# Altium PCB HIVE_BOARD.PcbDoc (part 2 of 9)
Units mm, origin at the board's own origin, x right, y up, seen from the top; angles counter-clockwise.
Board outline 110 x 110 mm, 8 copper layers (Top, GND_1, Signal_1, GND_2, PWR, Signal_2, GND_3, Bottom), stack 1.6 mm thick; 674 components, 474 nets, 2528 pads, 2100 vias.
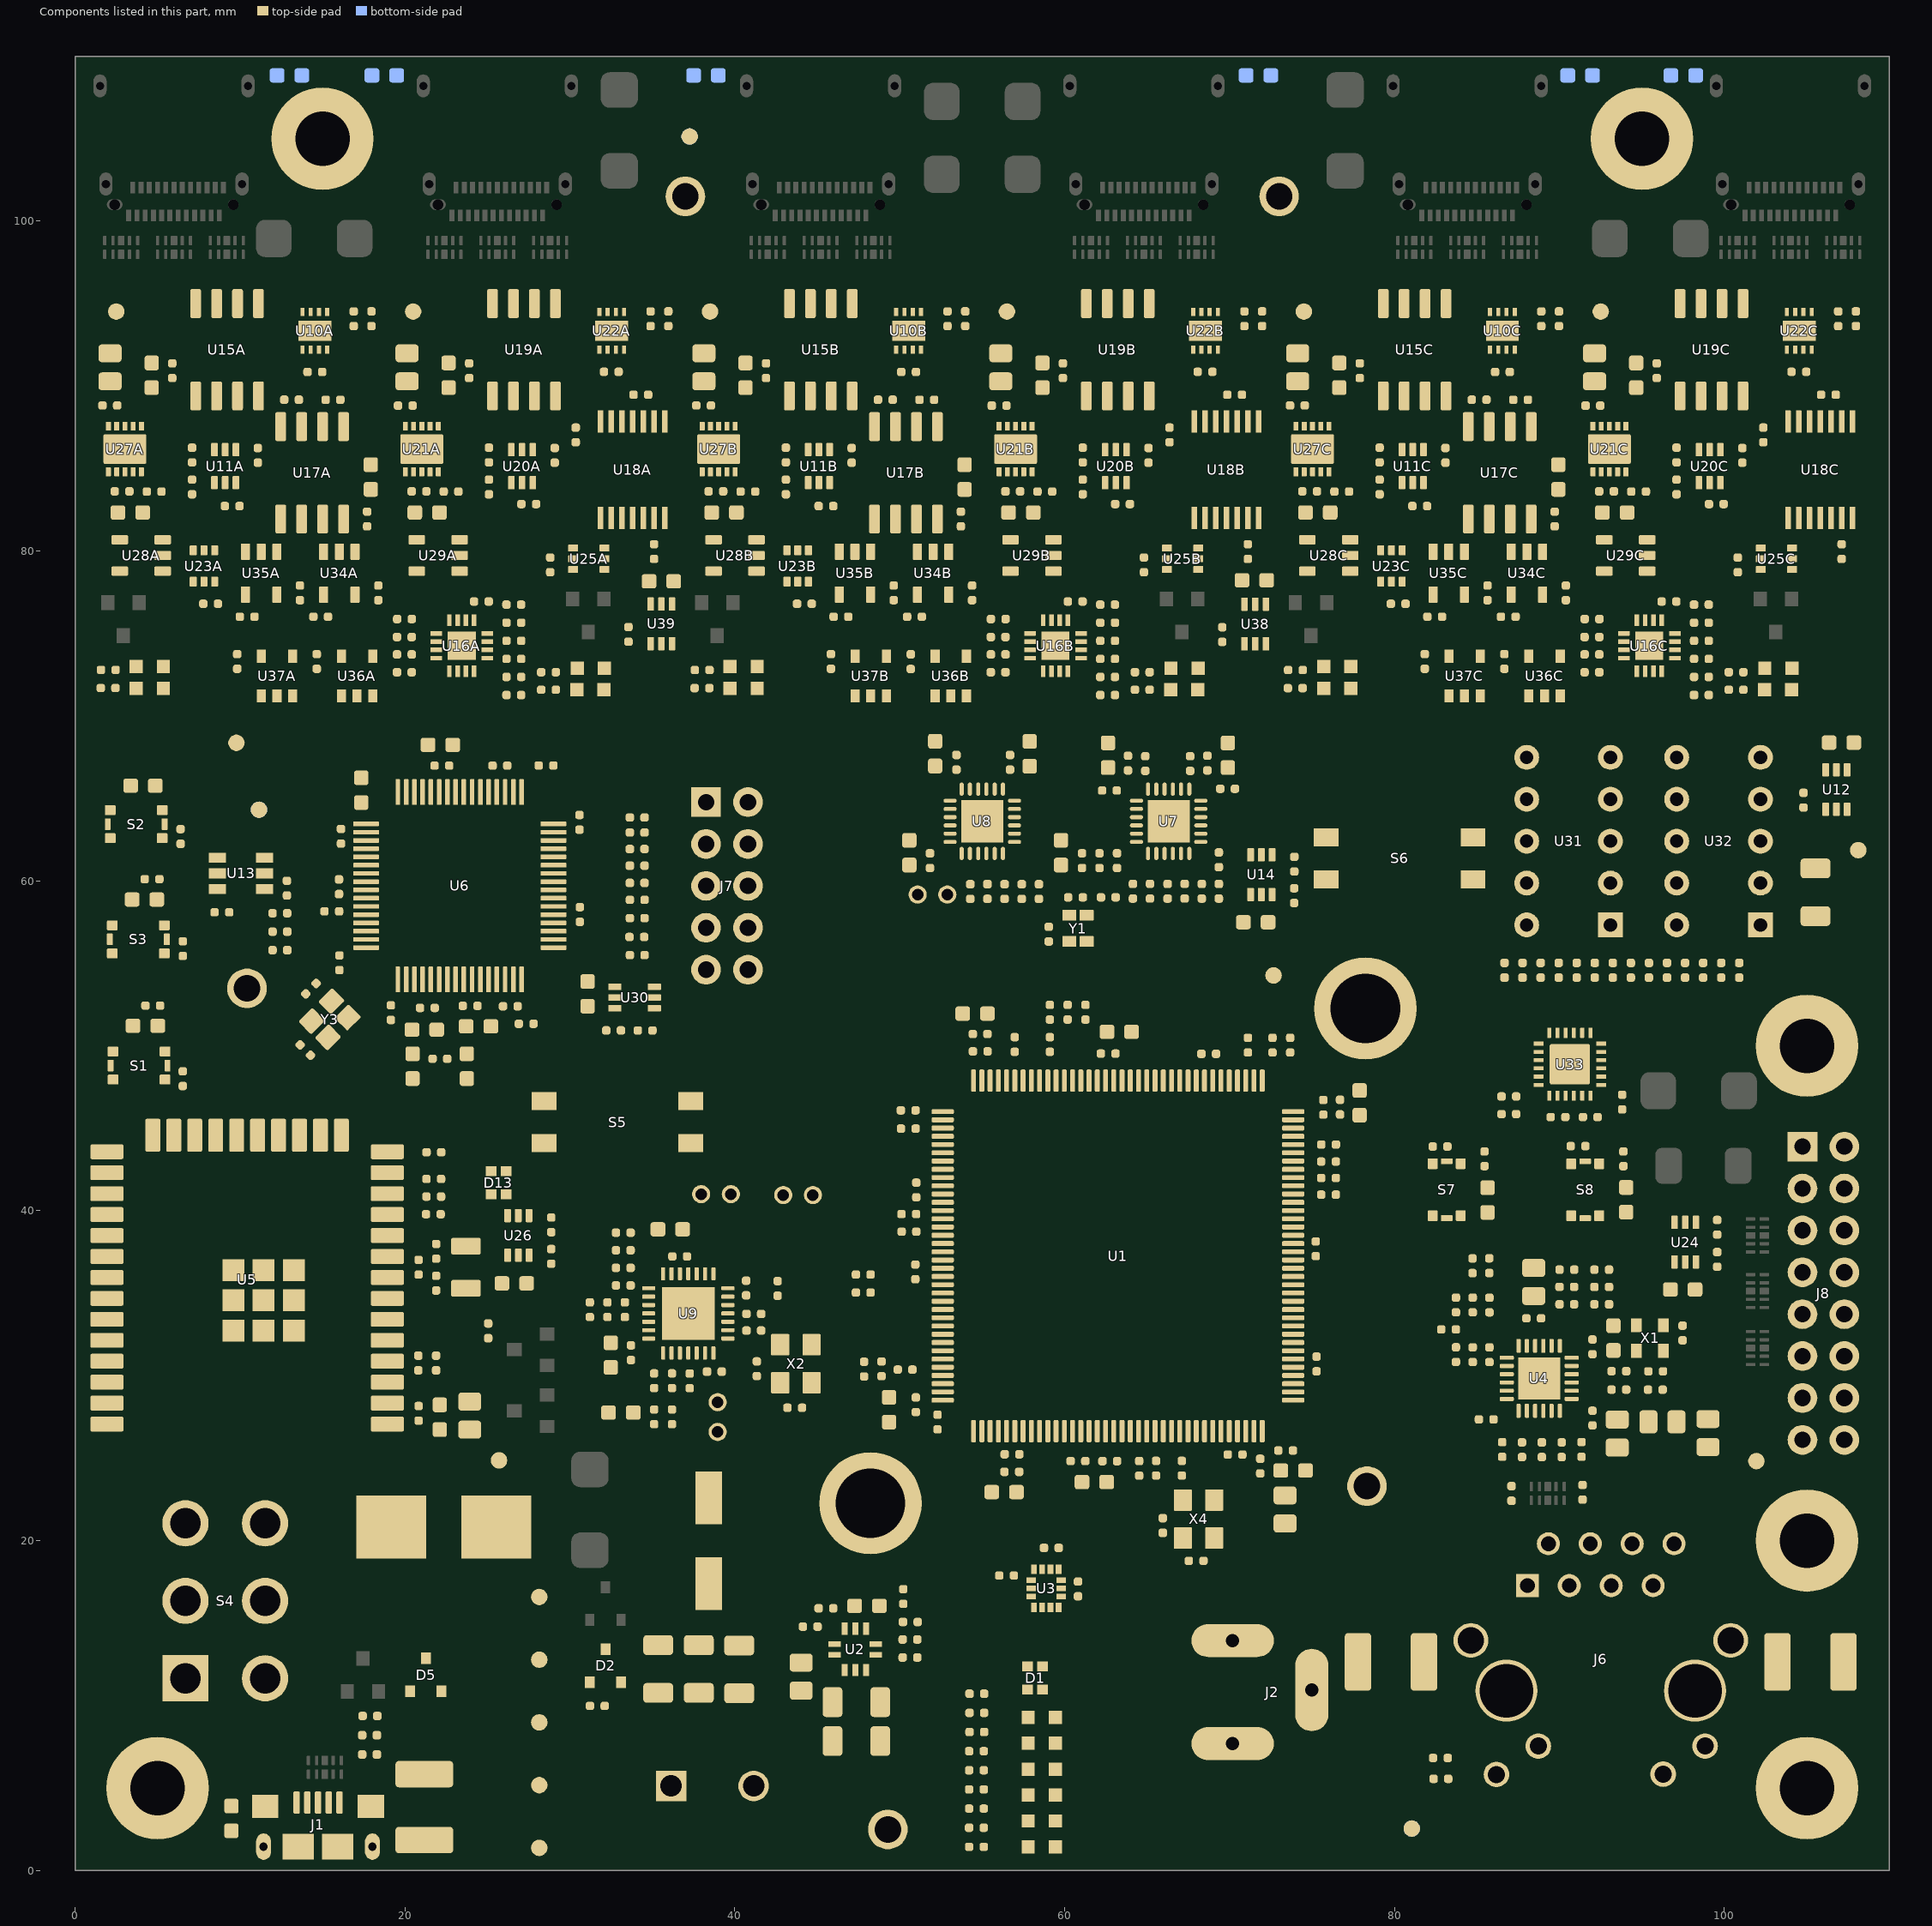
[diagram p8: the components of this part, seen from the top]

## Components (designator, comment, footprint, x,y, rotation, side; value= is the part's Value field where it differs from the comment) (continued)
R38 "RC0402FR-071KL" RES_0402 4.711,52.439 r0 top value=1k
R39 "RC0402FR-07150RL" RES_0402 6.53,48.009 r270 top value=150R
R40 "ERJ-2RKF4750X" RES_0402 21.747,41.928 r180 top value=475R
R41 "RC0402FR-0749R9L" RES_0402 87.726,25.516 r270 top value=49R9
R42 "RC0402FR-0749R9L" RES_0402 86.523,25.527 r270 top value=49R9
R43 "RC0402FR-0749R9L" RES_0402 90.132,25.516 r270 top value=49R9
R44 "RC0402FR-0749R9L" RES_0402 88.929,25.516 r270 top value=49R9
R45 "RC0402FR-071K5L" RES_0402 83.273,32.808 r180 top value=1k5
R46 "ERJ-2RKF4750X" RES_0402 21.721,39.792 r180 top value=475R
R47 "RMCF0402FT10R0" RES_0402 83.721,34.29 r90 top value=10R
R48 "RMCF0402FT10R0" RES_0402 83.721,31.282 r90 top value=10R
R49 "RC0402FR-07270RL" FER_0402 82.779,6.824 r0 top value=270
R50 "RC0402FR-0712K1L" RES_0402 91.335,25.529 r90 top value=12k1
R51 "RC0402FR-07270RL" FER_0402 82.81,5.56 r0 top value=270
R52 "RC0402FR-0712KL" RES_0402 42.596,35.292 r270 top value=12k
R53 "RC0402FR-0710KL" RES_0402 90.444,34.33 r0 top value=10k
R54 "RC0402FR-07100RP" RES_0402 34.083,58.851 r180 top value=100R
R55 "RC0402FR-07100RP" RES_0402 34.08,60.922 r180 top value=100R
R56 "RC0402FR-07100RP" RES_0402 34.08,61.933 r180 top value=100R
R57 "RC0402FR-07100RP" RES_0402 34.08,62.933 r180 top value=100R
R58 "RC0402FR-0710KL" RES_0402 92.562,34.33 r180 top value=10k
R59 "RC0402FR-0710KL" RES_0402 21.752,43.546 r180 top value=10k
R60 "RC0402FR-0710KL" RES_0402 84.737,34.29 r90 top value=10k
R61 "RC0402FR-0710KL" RES_0402 97.458,32.59 r90 top value=10k
R62 "RC0402FR-07100RP" RES_0402 34.08,63.843 r180 top value=100R
R63 "RC0402FR-071KL" RES_0402 21.747,40.86 r180 top value=1k
R64 "RC0402FR-0710KL" RES_0402 67.969,18.776 r0 top value=10k
R65 "RC0402FR-0710KL" RES_0402 15.565,58.155 r180 top value=10k
R66 "RC0402FR-0710KL" RES_0402 27.351,51.336 r180 top value=10k
R67 "RC0402FR-0710KL" RES_0402 12.418,58.04 r180 top value=10k
R68 "RC0402FR-0710KL" RES_0402 12.421,56.922 r0 top value=10k
R69 "RC0402FR-0710KL" RES_0402 12.421,55.804 r0 top value=10k
R70 "RC0402FR-071ML" RES_0402 19.149,52.014 r90 top value=1M
R71 "RC0402FR-07150RL" RES_0402 6.397,62.694 r270 top value=150R
R72 "RC0402FR-072K2L" RES_0402 12.844,59.561 r270 top value=2k2
R73 "RC0402FR-0710KL" RES_0402 84.737,31.276 r90 top value=10k
R74 "RC0402FR-0712KL" RES_0402 22.119,49.217 r0 top value=12k
R75 "RC0402FR-0710KL" RES_0402 93.599,29.159 r180 top value=10k
R76 "RC0402FR-0710KL" RES_0402 95.809,29.154 r0 top value=10k
R77A "ERJ-2RKF4750X" RES_0402 2.016,72.793 r180 top value=475R (schematic designator R77)
R77B "ERJ-2RKF4750X" RES_0402 38.022,72.786 r180 top value=475R (schematic designator R77)
R77C "ERJ-2RKF4750X" RES_0402 73.989,72.785 r180 top value=475R (schematic designator R77)
R78 "RC0402FR-0710KL" RES_0402 85.738,36.673 r270 top value=10k
R79 "RC0402FR-07100RP" RES_0402 34.08,59.879 r180 top value=100R
R80 "RC0402FR-071KL" RES_0402 66.238,59.372 r270 top value=1k
R81 "RC0402FR-071KL" RES_0402 64.135,59.372 r270 top value=1k
R82 "RC0402FR-0733RL" RES_0402 60.655,59.003 r180 top value=33R
R83 "RC0402FR-071KL" RES_0402 67.274,59.374 r90 top value=1k
R84 "RC0402FR-071KL" RES_0402 65.171,59.374 r90 top value=1k
R85 "RC0402FR-071KL" RES_0402 68.311,59.372 r270 top value=1k
R86 "RC0402FR-071KL" RES_0402 69.347,59.372 r270 top value=1k
R87 "RC0402FR-071KL" RES_0402 54.275,59.357 r270 top value=1k
R88 "RC0402FR-071KL" RES_0402 55.315,59.359 r90 top value=1k
R89 "RC0402FR-071KL" RES_0402 56.356,59.357 r270 top value=1k
R90 "RC0402FR-071KL" RES_0402 57.397,59.357 r270 top value=1k
R91 "RC0402FR-0710KL" RES_0402 21.889,30.771 r90 top value=10k
R92 "RC0402FR-0710KL" RES_0402 25.051,32.722 r270 top value=10k
R93A "RC0402FR-0710KL" RES_0402 7.095,83.884 r90 top value=10k (schematic designator R93)
R93B "RC0402FR-0710KL" RES_0402 43.095,83.884 r90 top value=10k (schematic designator R93)
R93C "RC0402FR-0710KL" RES_0402 79.095,83.884 r90 top value=10k (schematic designator R93)
R94A "RC0402FR-07100RP" RES_0402 14.537,90.856 r0 top value=100R (schematic designator R94)
R94B "RC0402FR-07100RP" RES_0402 50.537,90.856 r0 top value=100R (schematic designator R94)
R94C "RC0402FR-07100RP" RES_0402 86.537,90.856 r0 top value=100R (schematic designator R94)
R95A "RC0402FR-07100KL" RES_0402 11.082,85.801 r90 top value=100k (schematic designator R95)
R95B "RC0402FR-07100KL" RES_0402 47.082,85.801 r90 top value=100k (schematic designator R95)
R95C "RC0402FR-07100KL" RES_0402 83.082,85.801 r90 top value=100k (schematic designator R95)
R96 "RC0402FR-0710KL" RES_0402 73.914,59.106 r270 top value=10k
R97A "RC0402FR-07100KL" RES_0402 7.095,85.821 r270 top value=100k (schematic designator R97)
R97B "RC0402FR-07100KL" RES_0402 43.095,85.821 r270 top value=100k (schematic designator R97)
R97C "RC0402FR-07100KL" RES_0402 79.095,85.821 r270 top value=100k (schematic designator R97)
R99A "RC0402FR-07100KL" RES_0402 35.105,79.966 r90 top value=100k (schematic designator R99)
R99B "RC0402FR-07100KL" RES_0402 71.105,79.966 r90 top value=100k (schematic designator R99)
R99C "RC0402FR-07100KL" RES_0402 107.105,79.966 r90 top value=100k (schematic designator R99)
R100A "RC0402FR-07100KL" RES_0402 19.967,73.733 r0 top value=100k (schematic designator R100)
R100B "RC0402FR-07100KL" RES_0402 55.967,73.733 r0 top value=100k (schematic designator R100)
R100C "RC0402FR-07100KL" RES_0402 91.967,73.733 r0 top value=100k (schematic designator R100)
R101A "RC0402FR-0710KL" RES_0402 26.603,75.654 r0 top value=10k (schematic designator R101)
R101B "RC0402FR-0710KL" RES_0402 62.603,75.654 r0 top value=10k (schematic designator R101)
R101C "RC0402FR-0710KL" RES_0402 98.603,75.654 r0 top value=10k (schematic designator R101)
R102A "RC0402FR-070RL" RES_0402 26.603,74.557 r0 top value=0R (schematic designator R102)
R102B "RC0402FR-070RL" RES_0402 62.603,74.557 r0 top value=0R (schematic designator R102)
R102C "RC0402FR-070RL" RES_0402 98.603,74.557 r0 top value=0R (schematic designator R102)
R103A "RC0402FR-0784R5L" RES_0402 15.641,89.169 r0 top value=84R5 (schematic designator R103)
R103B "RC0402FR-0784R5L" RES_0402 51.641,89.169 r0 top value=84R5 (schematic designator R103)
R103C "RC0402FR-0784R5L" RES_0402 87.641,89.169 r0 top value=84R5 (schematic designator R103)
R104A "RC0402FR-0784R5L" RES_0402 13.126,89.174 r0 top value=84R5 (schematic designator R104)
R104B "RC0402FR-0784R5L" RES_0402 49.126,89.174 r0 top value=84R5 (schematic designator R104)
R104C "RC0402FR-0784R5L" RES_0402 85.126,89.174 r0 top value=84R5 (schematic designator R104)
R105A "RC0402FR-070RL" RES_0402 26.603,73.461 r0 top value=0R (schematic designator R105)
R105B "RC0402FR-070RL" RES_0402 62.603,73.461 r0 top value=0R (schematic designator R105)
R105C "RC0402FR-070RL" RES_0402 98.603,73.461 r0 top value=0R (schematic designator R105)
R106A "RC0402FR-07100KL" RES_0402 19.965,72.649 r180 top value=100k (schematic designator R106)
R106B "RC0402FR-07100KL" RES_0402 55.965,72.649 r180 top value=100k (schematic designator R106)
R106C "RC0402FR-07100KL" RES_0402 91.965,72.649 r180 top value=100k (schematic designator R106)
R107A "RC0402FR-07100KL" RES_0402 19.972,75.874 r0 top value=100k (schematic designator R107)
R107B "RC0402FR-07100KL" RES_0402 55.972,75.874 r0 top value=100k (schematic designator R107)
R107C "RC0402FR-07100KL" RES_0402 91.972,75.874 r0 top value=100k (schematic designator R107)
R108A "RC0402FR-0740K2L" RES_0402 19.965,74.783 r0 top value=40k2 (schematic designator R108)
R108B "RC0402FR-0740K2L" RES_0402 55.965,74.783 r0 top value=40k2 (schematic designator R108)
R108C "RC0402FR-0740K2L" RES_0402 91.965,74.783 r0 top value=40k2 (schematic designator R108)
R109 "RC0402FR-0710KL" RES_0402 99.56,37.054 r90 top value=10k
R110A "ERJ-2RKF4750X" RES_0402 28.704,72.651 r180 top value=475R (schematic designator R110)
R110B "ERJ-2RKF4750X" RES_0402 64.704,72.651 r180 top value=475R (schematic designator R110)
R110C "ERJ-2RKF4750X" RES_0402 100.704,72.651 r180 top value=475R (schematic designator R110)
R111A "RC0402FR-0710KL" RES_0402 26.603,72.365 r0 top value=10k (schematic designator R111)
R111B "RC0402FR-0710KL" RES_0402 62.603,72.365 r0 top value=10k (schematic designator R111)
R111C "RC0402FR-0710KL" RES_0402 98.603,72.365 r0 top value=10k (schematic designator R111)
R112A "RC0402FR-0710KL" RES_0402 25.095,83.884 r90 top value=10k (schematic designator R112)
R112B "RC0402FR-0710KL" RES_0402 61.095,83.884 r90 top value=10k (schematic designator R112)
R112C "RC0402FR-0710KL" RES_0402 97.095,83.884 r90 top value=10k (schematic designator R112)
R113A "RC0402FR-0710KL" RES_0402 26.601,71.268 r180 top value=10k (schematic designator R113)
R113B "RC0402FR-0710KL" RES_0402 62.601,71.268 r180 top value=10k (schematic designator R113)
R113C "RC0402FR-0710KL" RES_0402 98.601,71.268 r180 top value=10k (schematic designator R113)
R114 "RC0402FR-0710KL" RES_0402 85.452,43.151 r90 top value=10k
R115A "ERJ-2RKF4750X" RES_0402 2.003,71.697 r180 top value=475R (schematic designator R115)
R115B "ERJ-2RKF4750X" RES_0402 38.009,71.689 r180 top value=475R (schematic designator R115)
R115C "ERJ-2RKF4750X" RES_0402 73.976,71.688 r180 top value=475R (schematic designator R115)
R116 "RC0402FR-0710KL" RES_0402 47.786,35.043 r0 top value=10k
R117A "RC0402FR-07100KL" RES_0402 29.082,85.801 r90 top value=100k (schematic designator R117)
R117B "RC0402FR-07100KL" RES_0402 65.082,85.801 r90 top value=100k (schematic designator R117)
R117C "RC0402FR-07100KL" RES_0402 101.082,85.801 r90 top value=100k (schematic designator R117)
R118A "RC0402FR-07100KL" RES_0402 25.095,85.821 r270 top value=100k (schematic designator R118)
R118B "RC0402FR-07100KL" RES_0402 61.095,85.821 r270 top value=100k (schematic designator R118)
R118C "RC0402FR-07100KL" RES_0402 97.095,85.821 r270 top value=100k (schematic designator R118)
R119A "RC0402FR-07100KL" RES_0402 34.303,89.477 r180 top value=100k (schematic designator R119)
R119B "RC0402FR-07100KL" RES_0402 70.303,89.477 r180 top value=100k (schematic designator R119)
R119C "RC0402FR-07100KL" RES_0402 106.303,89.477 r180 top value=100k (schematic designator R119)
R120 "RC0402FR-0710KL" RES_0402 28.868,37.234 r270 top value=10k
R121 "RC0402FR-0710KL" RES_0402 93.872,43.149 r90 top value=10k
R122 "RC0402FR-0710KL" RES_0402 47.786,36.135 r180 top value=10k
R123A "ERJ-2RKF4750X" RES_0402 28.704,71.589 r180 top value=475R (schematic designator R123)
R123B "ERJ-2RKF4750X" RES_0402 64.704,71.589 r180 top value=475R (schematic designator R123)
R123C "ERJ-2RKF4750X" RES_0402 100.704,71.589 r180 top value=475R (schematic designator R123)
R124A "RC0402FR-0710KL" RES_0402 26.601,76.75 r180 top value=10k (schematic designator R124)
R124B "RC0402FR-0710KL" RES_0402 62.601,76.75 r180 top value=10k (schematic designator R124)
R124C "RC0402FR-0710KL" RES_0402 98.601,76.75 r180 top value=10k (schematic designator R124)
R125 "RC0402FR-0710KL" RES_0402 32.65,50.935 r180 top value=10k
R126 "RC0402FR-0710KL" RES_0402 28.555,66.995 r0 top value=10k
R127A "RC0402FR-0710KL" RES_0402 22.795,83.604 r0 top value=10k (schematic designator R127)
R127B "RC0402FR-0710KL" RES_0402 58.795,83.604 r0 top value=10k (schematic designator R127)
R127C "RC0402FR-0710KL" RES_0402 94.795,83.604 r0 top value=10k (schematic designator R127)
R128A "RC0402FR-07100RP" RES_0402 32.51,90.865 r0 top value=100R (schematic designator R128)
R128B "RC0402FR-07100RP" RES_0402 68.51,90.865 r0 top value=100R (schematic designator R128)
R128C "RC0402FR-07100RP" RES_0402 104.51,90.865 r0 top value=100R (schematic designator R128)
R129 "ERJ-2RKF4750X" RES_0402 54.65,7.239 r0 top value=475R
R130 "RC0402FR-0747RL" RES_0402 71.854,24.52 r90 top value=47R
R131 "RC0402FR-0710KL" RES_0402 56.475,17.885 r0 top value=10k
R132 "RC0402FR-071ML" RES_0402 20.828,36.577 r270 top value=1M
R133A "RC0402FR-0710KL" RES_0402 4.795,83.604 r0 top value=10k (schematic designator R133)
R133B "RC0402FR-0710KL" RES_0402 40.795,83.604 r0 top value=10k (schematic designator R133)
R133C "RC0402FR-0710KL" RES_0402 76.795,83.604 r0 top value=10k (schematic designator R133)
R134 "RC0402FR-0710KL" RES_0402 91.864,45.681 r0 top value=10k
R135 "RC0402FR-07150RL" RES_0402 88.854,54.582 r90 top value=150R
R136 "RC0402FR-07150RL" RES_0402 96.517,54.582 r90 top value=150R
R137 "RC0402FR-07150RL" RES_0402 87.759,54.582 r90 top value=150R
R138 "RC0402FR-07150RL" RES_0402 95.423,54.582 r90 top value=150R
R139 "RC0402FR-07150RL" RES_0402 86.664,54.582 r90 top value=150R
R140 "RC0402FR-07150RL" RES_0402 94.328,54.582 r90 top value=150R
R141 "RC0402FR-07150RL" RES_0402 89.949,54.582 r90 top value=150R
R142 "RC0402FR-07150RL" RES_0402 97.612,54.582 r90 top value=150R
R143 "RC0402FR-07150RL" RES_0402 91.043,54.582 r90 top value=150R
R144 "RC0402FR-07150RL" RES_0402 98.707,54.582 r90 top value=150R
R145 "RC0402FR-07150RL" RES_0402 93.233,54.582 r90 top value=150R
R146 "RC0402FR-07150RL" RES_0402 100.897,54.582 r90 top value=150R
R147 "RC0402FR-07150RL" RES_0402 92.138,54.582 r90 top value=150R
R148 "RC0402FR-07150RL" RES_0402 99.802,54.582 r90 top value=150R
R149 "RC0402FR-07150RL" RES_0402 82.759,43.897 r180 top value=150R
R150 "RC0402FR-07150RL" RES_0402 91.124,43.922 r180 top value=150R
R151A "CRCW04023R48FKED" RES_0402 2.108,88.824 r0 top value=3R48 (schematic designator R151)
R151B "CRCW04023R48FKED" RES_0402 38.108,88.824 r0 top value=3R48 (schematic designator R151)
R151C "CRCW04023R48FKED" RES_0402 74.108,88.824 r0 top value=3R48 (schematic designator R151)
R152A "CRCW04023R48FKED" RES_0402 20.023,88.817 r0 top value=3R48 (schematic designator R152)
R152B "CRCW04023R48FKED" RES_0402 56.023,88.817 r0 top value=3R48 (schematic designator R152)
R152C "CRCW04023R48FKED" RES_0402 92.023,88.817 r0 top value=3R48 (schematic designator R152)
R153 "RC0402FR-0710KL" RES_0402 93.799,46.589 r270 top value=10k
R154A "RC0603JR-070RL" RES_0603 13,108.833 r180 bottom value=0R (schematic designator R154)
R154B "RC0603JR-070RL" RES_0603 38.25,108.833 r0 bottom value=0R (schematic designator R154)
R154C "RC0603JR-070RL" RES_0603 91.25,108.833 r180 bottom value=0R (schematic designator R154)
R155A "RC0603JR-070RL" RES_0603 18.75,108.833 r0 bottom value=0R (schematic designator R155)
R155B "RC0603JR-070RL" RES_0603 71.75,108.833 r180 bottom value=0R (schematic designator R155)
R155C "RC0603JR-070RL" RES_0603 97.5,108.833 r0 bottom value=0R (schematic designator R155)
R156 "RC0402FR-0710KL" RES_0402 84.725,36.667 r90 top value=10k
R157 "RC0402FR-0710KL" RES_0402 90.442,35.384 r180 top value=10k
R158 "RC0402FR-0710KL" RES_0402 92.56,35.379 r0 top value=10k
R159 "RC0402FR-0710KL" RES_0402 85.752,34.288 r270 top value=10k
R160 "RC0402FR-0710KL" RES_0402 85.752,31.274 r270 top value=10k
R161 "RC0402FR-0733RL" RES_0402 50.548,39.799 r0 top value=33R
R162 "RC0402FR-0733RL" RES_0402 75.995,42.983 r180 top value=33R
R163 "RC0402FR-0733RL" RES_0402 50.511,46.086 r180 top value=33R
R164A "RC0402FR-0733RL" RES_0402 14.893,76.016 r180 top value=33R (schematic designator R164)
R164B "RC0402FR-0733RL" RES_0402 50.893,76.016 r180 top value=33R (schematic designator R164)
R164C "RC0402FR-0733RL" RES_0402 86.893,76.016 r180 top value=33R (schematic designator R164)
R165 "RC0402FR-0733RL" RES_0402 73.672,50.042 r270 top value=33R
R166 "RC0402FR-0733RL" RES_0402 50.521,44.983 r180 top value=33R
R167 "RC0402FR-0733RL" RES_0402 72.599,50.042 r270 top value=33R
R168 "RC0402FR-0733RL" RES_0402 71.108,50.042 r270 top value=33R
R169 "RC0402FR-0733RL" RES_0402 64.516,24.384 r90 top value=33R
R170 "RC0402FR-0733RL" RES_0402 65.54,24.392 r90 top value=33R
R171 "RC0402FR-0733RL" RES_0402 50.559,38.735 r180 top value=33R
R172 "RC0402FR-0733RL" RES_0402 75.997,40.98 r0 top value=33R
R173 "RC0402FR-0733RL" RES_0402 75.997,41.986 r0 top value=33R
R174A "RC0402FR-0733RL" RES_0402 10.435,76.016 r0 top value=33R (schematic designator R174)
R174B "RC0402FR-0733RL" RES_0402 46.435,76.016 r0 top value=33R (schematic designator R174)
R174C "RC0402FR-0733RL" RES_0402 82.435,76.016 r0 top value=33R (schematic designator R174)
R175 "RC0402FR-0710KL" RES_0402 47.838,30.4 r90 top value=10k
R176 "RC0402FR-0710KL" RES_0402 48.893,30.417 r90 top value=10k
R177 "RC0402FR-0710KL" RES_0402 37.266,29.688 r90 top value=10k
R178 "RC0402FR-070RL" RES_0402 67.101,24.392 r90 top value=0R
R179 "RC0402FR-0733RL" RES_0402 59.101,50.082 r270 top value=33R
R180 "RC0402FR-0710KL" RES_0402 69.347,61.28 r270 top value=10k
R181 "RC0402FR-0710KL" RES_0402 58.438,59.357 r270 top value=10k
R182 "RC0402FR-071KL" RES_0402 61.258,52.038 r270 top value=1k
R183 "RC0402FR-071KL" RES_0402 60.179,52.04 r90 top value=1k
R184 "RC0402FR-070RL" RES_0402 59.101,52.038 r270 top value=0R
R185 "RC0402FR-070RL" RES_0402 41.151,32.741 r180 top value=0R
R186 "RC0402FR-070RL" RES_0402 93.601,30.277 r0 top value=0R
S1 "435171014816" SWI_TACT_435171014816 3.88,48.805 r180 top value=SPST-NO
S2 "435171014816" SWI_TACT_435171014816 3.708,63.44 r180 top value=SPST-NO
S3 "435171014816" SWI_TACT_435171014816 3.833,56.455 r180 top value=SPST-NO
S4 "500SDP1S1M2QEA" SWI_500SDP1S1M2QEA 9.107,16.353 r90 top value=DPDT
S5 "A6S-2104-H" SWI_A6S-2104-H 32.885,45.373 r180 top
S6 "A6S-2104-H" SWI_A6S-2104-H 80.302,61.365 r180 top
S7 "435171014816" SWI_TACT_435171014816 83.16,41.28 r90 top value=SPST-NO
S8 "435171014816" SWI_TACT_435171014816 91.557,41.274 r90 top value=SPST-NO
TP1 "1 MM" TPO_SMD_ROUND_1MM 28.143,1.375 r0 top
TP2 "1 MM" TPO_SMD_ROUND_1MM 28.143,16.586 r270 top
TP3 "1 MM" TPO_SMD_ROUND_1MM 28.143,5.178 r90 top
TP4 "1 MM" TPO_SMD_ROUND_1MM 28.143,12.783 r90 top
TP5 "1 MM" TPO_SMD_ROUND_1MM 28.143,8.98 r90 top
TP6A "1 MM" TPO_SMD_ROUND_1MM 2.498,94.518 r90 top (schematic designator TP6)
TP6B "1 MM" TPO_SMD_ROUND_1MM 38.498,94.518 r90 top (schematic designator TP6)
TP6C "1 MM" TPO_SMD_ROUND_1MM 74.498,94.518 r90 top (schematic designator TP6)
TP7A "1 MM" TPO_SMD_ROUND_1MM 20.498,94.518 r90 top (schematic designator TP7)
TP7B "1 MM" TPO_SMD_ROUND_1MM 56.498,94.518 r90 top (schematic designator TP7)
TP7C "1 MM" TPO_SMD_ROUND_1MM 92.498,94.518 r90 top (schematic designator TP7)
TP8 "TH ROUND x2" TPO_TH_ROUND_0.7mm_DOUBLE 38.96,27.493 r270 top
TP9 "TH ROUND x2" TPO_TH_ROUND_0.7mm_DOUBLE 38.86,41.009 r0 top
TP10 "TH ROUND x2" TPO_TH_ROUND_0.7mm_DOUBLE 43.835,40.952 r0 top
TP11 "1 MM" TPO_SMD_ROUND_1MM 72.662,54.268 r90 top
TP12 "TH ROUND x2" TPO_TH_ROUND_0.7mm_DOUBLE 51.982,59.171 r180 top
TP13 "5011" TPO_5011 78.327,23.304 r0 top
TP14 "5011" TPO_5011 73,101.5 r0 top locked
TP15 "5011" TPO_5011 37,101.5 r0 top locked
TP16 "5011" TPO_5011 10.425,53.483 r0 top
TP17 "1 MM" TPO_SMD_ROUND_1MM 108.109,61.865 r90 top
TP18 "1 MM" TPO_SMD_ROUND_1MM 25.705,24.867 r90 top
TP19 "1 MM" TPO_SMD_ROUND_1MM 101.935,24.823 r90 top
TP20 "1 MM" TPO_SMD_ROUND_1MM 9.782,68.372 r90 top
TP21 "5011" TPO_5011 49.279,2.492 r0 top
U1 "STM32H735ZGT6" MCU_STM32H735ZGT6 63.226,37.264 r90 top locked value="550MHz MCU"
U2 "RPL-3.0-CT" REG_SWR_RPL-3.0-CT 47.304,13.406 r0 top
U3 "LSM6DSMTR" SEN_IMU_LSM6DSMTR 58.884,17.109 r270 top value=-
U4 "LAN8742A-CZ" COM_ETH_LAN8742A-CZ-TR 88.769,29.841 r180 top
U5 "ESP32-WROOM-32UE (4MB)" COM_ESP32-WROOM-32UE(8MB) 10.432,34.569 r180 top
U6 "FT4232HL-REEL" COM_USB_FT4232HL-REEL 23.321,59.702 r90 top
U7 "SI53342-B-GM" TIM_FAN_SI53342-B-GM 66.304,63.613 r0 top value=2:6
U8 "SI53342-B-GM" TIM_FAN_SI53342-B-GM 55.004,63.613 r0 top value=2:6
U9 "USB2412-DZK" USB_USB2412-DZK 37.179,33.778 r270 top value=2-PORTS
U10A "DS90LV001TLD/NOPB" COM_BUF_DS90LV001TLD/NOPB 14.536,93.351 r90 top value=LVDS (schematic designator U10)